# Altium PCB DevKITV3.PcbDoc (part 4 of 5) (continued)
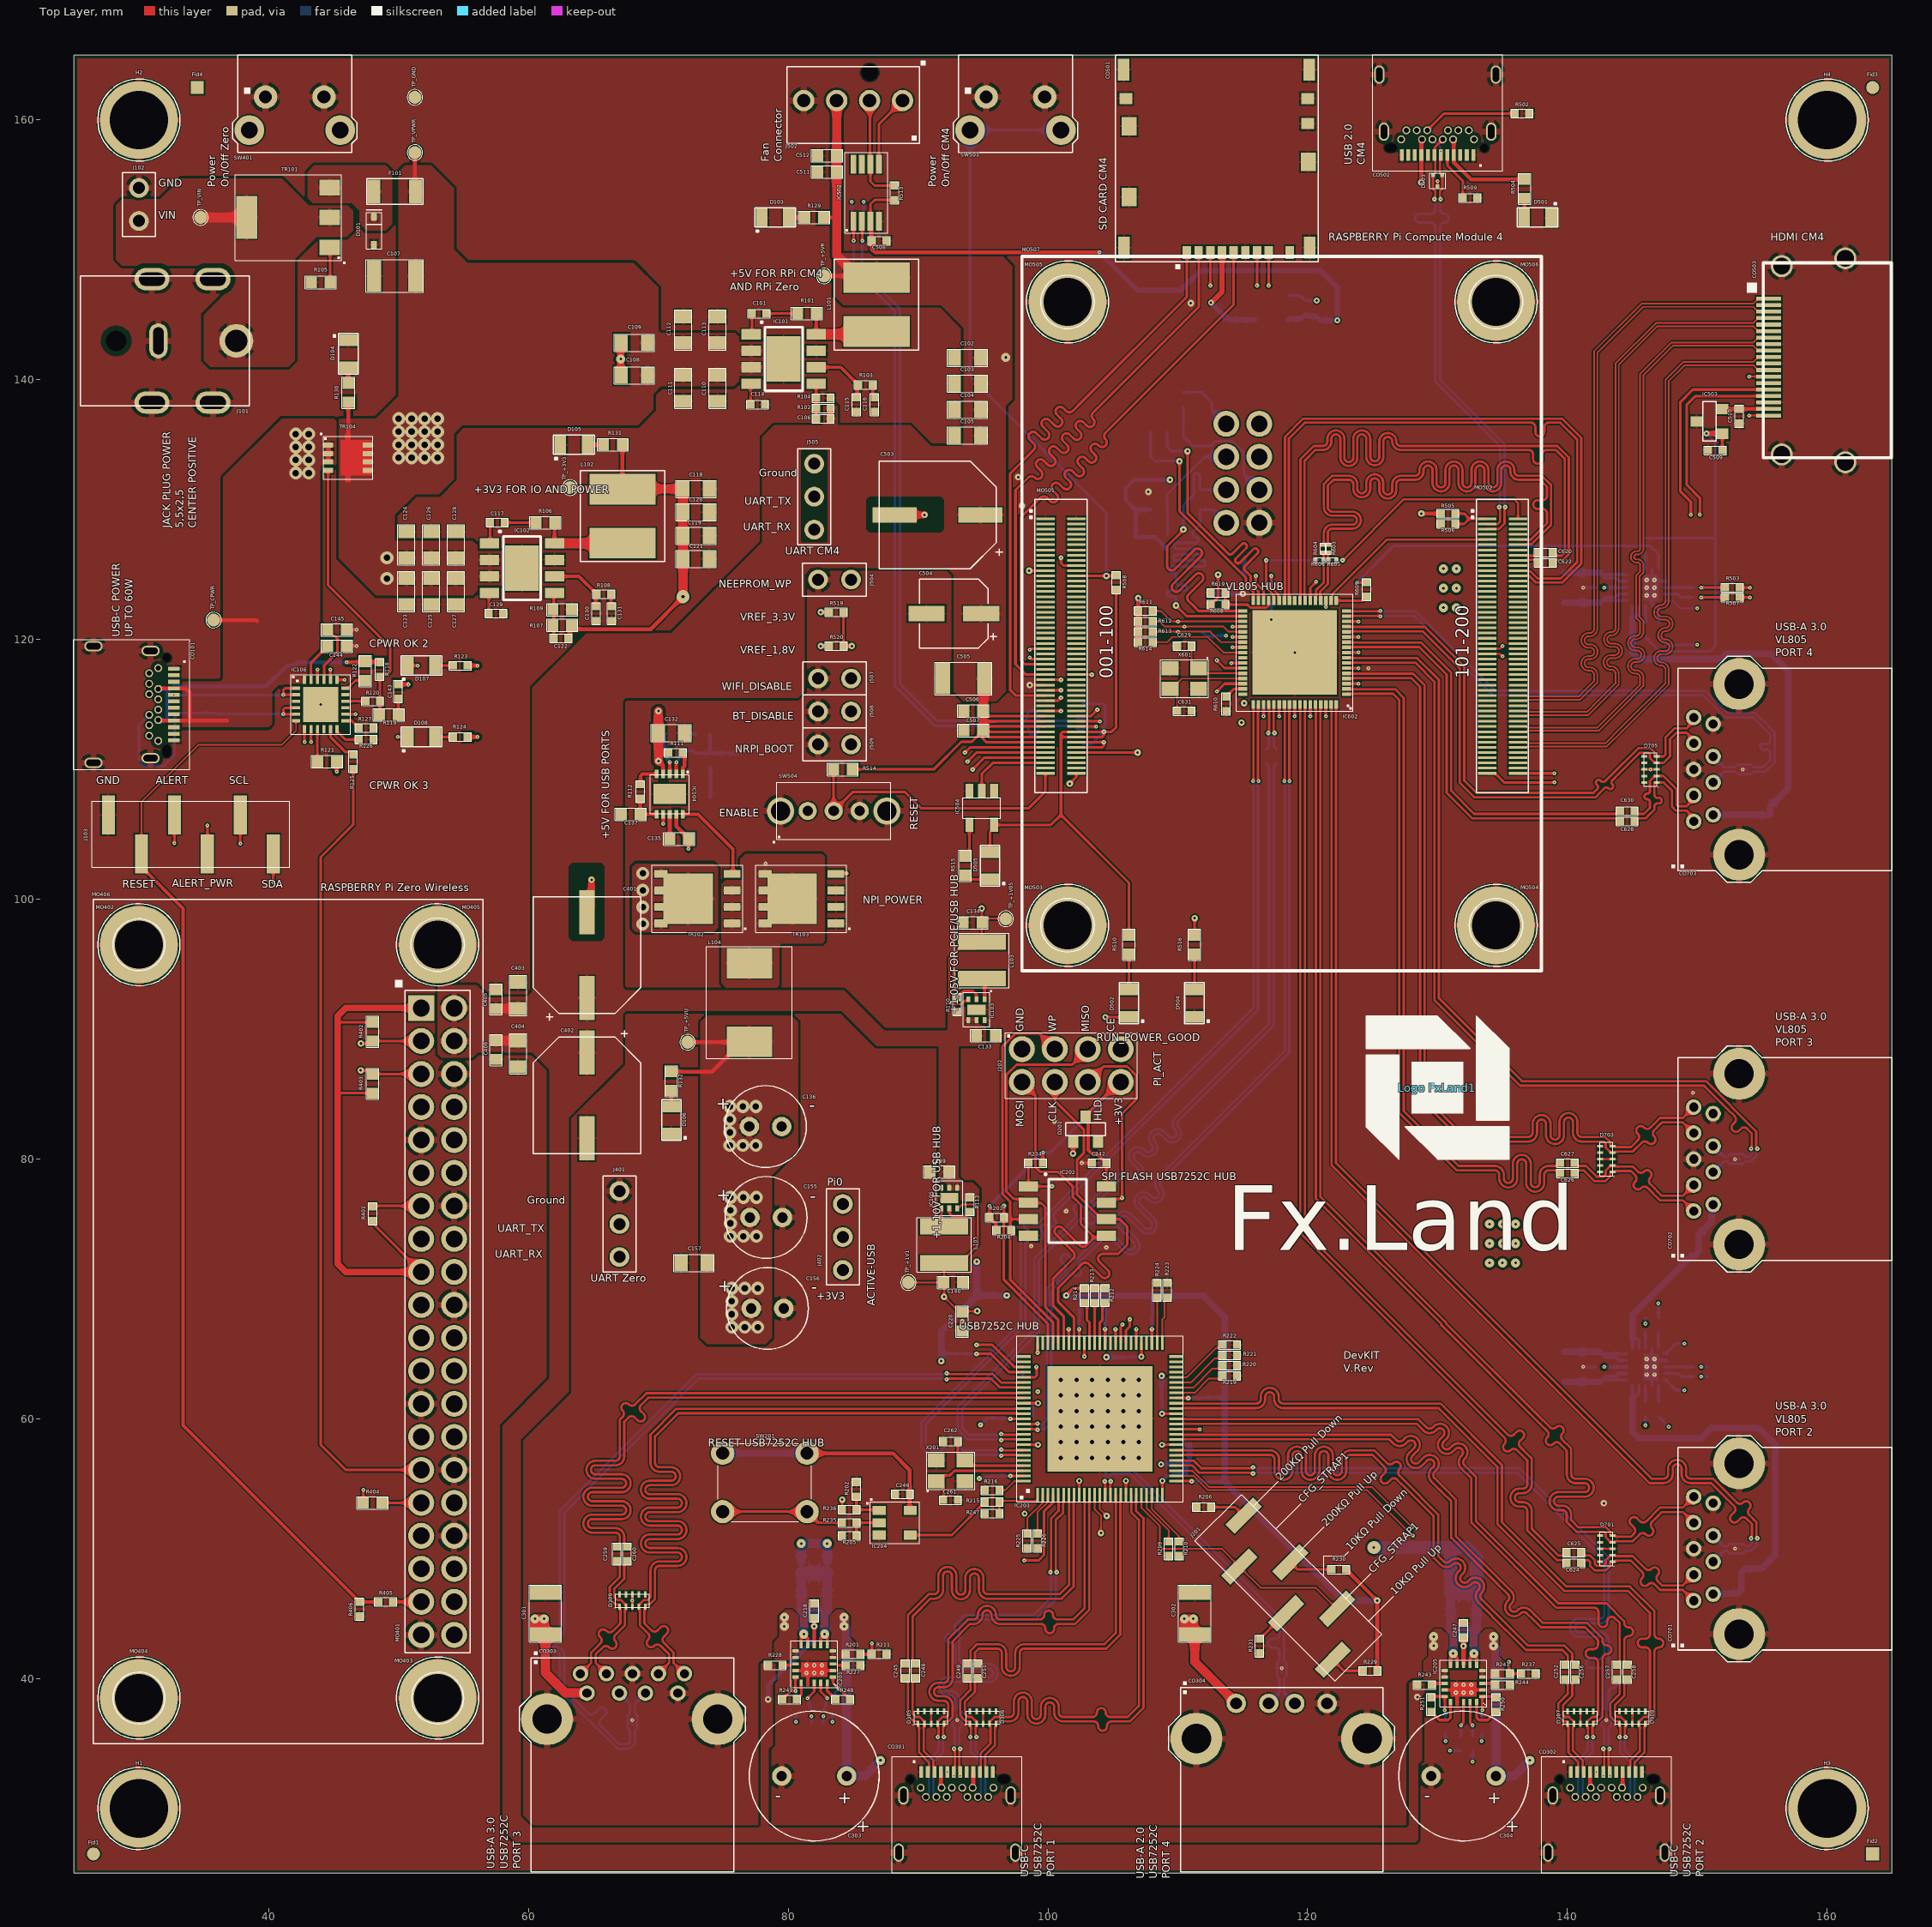
[diagram p0: Top Layer view]
## Nets (pads, with @x,y where several pads share a name; then routed paths per layer and width w, separated by ;. In a path a pad name is that pad's centre, name@x,y a point inside that pad or via, vN(x,y) a via of type N, cw(c..) or ccw(c..) an arc to the next point about the centre after c; other vN are vias at no path point) (continued)
USB3RX4_N: CO703.6 D705.4 IC602.13 | length 41.8
  Top Layer w0.176: IC602.13@123,120.6 123.024,120.624 128.876,120.624 131.7,117.8 131.7,109.002 132.854,107.848 142.148,107.848 142.483,108.183 142.85,108.55 cw(c143.002,108.398) 143.154,108.55 ccw(c143.306,108.702) 143.458,108.55 ccw(c143.306,108.702) 143.458,108.854 cw(c143.61,109.006) 143.458,109.158 143.974,109.674 145.588,111.288 146.24,111.288 146.35,111.178 146.35,110.887 146.737,110.5 D705.4@146.875,110.5 147.398,110.5 147.9,111.002 147.9,112.324 148.4,112.824 148.896,112.824 149.188,112.824 149.291,112.721 149.291,112.706 149.72,112.277 CO703.6@149.72,112
USB3RX4_P: CO703.5 D705.5 IC602.14 | length 41.8
  Top Layer w0.176: IC602.14@123,121 123.024,120.976 129.022,120.976 132.052,117.946 132.052,109.148 133,108.2 142.002,108.2 142.227,108.425 142.289,108.487 ccw(c142.137,108.639) 142.289,108.791 142.245,108.835 cw(c142.397,108.987) 142.245,109.139 cw(c142.397,108.987) 142.549,109.139 142.593,109.095 ccw(c142.745,109.247) 142.897,109.095 143.327,109.524 145.442,111.64 146.386,111.64 146.702,111.324 146.702,111.115 146.726,111.092 146.726,111.012 146.737,111 D705.5@146.875,111 147.4,111 147.548,111.148 147.548,112.47 148.254,113.176 149.042,113.176 149.188,113.176 149.291,113.279 149.291,113.294 149.72,113.723 CO703.5@149.72,114
USB3TX1_N: C623.2 IC203.94 | length 5.2
  Top Layer w0.176: v2(96.4,57.637) 96.433,57.604 96.556,57.604 96.585,57.576 96.748,57.576 97.677,57.576 97.689,57.588 98.138,57.588 IC203.94@98.15,57.6
  Bottom Layer w0.176: C623.2@93.15,57.8 93.362,57.588 93.453,57.588 93.465,57.576 94.745,57.576 96.215,57.576 96.244,57.604 96.367,57.604 v2(96.4,57.637)
USB3TX1_P: C621.2 IC203.95 | length 5.2
  Top Layer w0.176: v2(96.4,57.162) 96.433,57.196 96.556,57.196 96.585,57.224 96.924,57.224 97.677,57.224 97.689,57.212 98.138,57.212 IC203.95@98.15,57.2
  Bottom Layer w0.176: C621.2@93.15,57 93.362,57.212 93.453,57.212 93.465,57.224 94.599,57.224 96.215,57.224 96.244,57.196 96.367,57.196 v2(96.4,57.162)
USB3TX2_N: C625.2 CO701.8 D701.2 | length 11.9
  Top Layer w0.176: C625.2@141.05,49.7 141.262,49.488 141.353,49.488 141.365,49.476 141.746,49.476 142.099,49.122 142.099,48.822 142.243,48.679 142.807,48.679 142.951,48.822 142.951,49.113 143.338,49.5 D701.2@143.475,49.5 143.613,49.5 143.687,49.426 145.03,49.426 145.931,48.525 145.993,48.463 ccw(c146.235,48.705) 146.477,48.463 cw(c146.719,48.221) 146.961,48.463 cw(c146.719,48.221) 146.961,47.979 ccw(c147.202,47.738) 146.96,47.496 147.28,47.176 147.291,47.176 148.896,47.176 CO701.8@149.72,48
USB3TX2_P: C624.2 CO701.9 D701.1 | length 11.9
  Top Layer w0.176: C624.2@141.05,48.9 141.262,49.112 141.353,49.112 141.365,49.124 141.6,49.124 141.748,48.977 141.748,48.676 142.097,48.327 142.953,48.327 143.302,48.676 143.302,48.885 143.326,48.908 143.326,48.988 143.338,49 D701.1@143.475,49 143.613,49 143.687,49.074 144.885,49.074 145.199,48.76 145.744,48.214 cw(c145.503,47.972) 145.744,47.73 145.722,47.708 ccw(c145.964,47.466) 145.722,47.225 ccw(c145.964,47.466) 146.206,47.225 146.228,47.247 cw(c146.47,47.005) 146.712,47.247 147.096,46.863 147.134,46.824 148.896,46.824 CO701.9@149.72,46
USB3TX3_N: C627.2 CO702.8 D703.2 | length 12.2
  Top Layer w0.176: C627.2@140.55,79.7 140.762,79.488 140.853,79.488 140.865,79.476 141.422,79.476 142.246,78.652 142.78,78.652 142.951,78.822 142.951,79.113 143.338,79.5 D703.2@143.475,79.5 143.613,79.5 143.687,79.426 145.03,79.426 145.347,79.109 145.409,79.047 ccw(c145.651,79.289) 145.893,79.047 cw(c146.135,78.805) 146.377,79.047 cw(c146.135,78.805) 146.377,78.563 ccw(c146.619,78.321) 146.377,78.08 147.28,77.176 148.896,77.176 CO702.8@149.72,78
USB3TX3_P: C626.2 CO702.9 D703.1 | length 12.2
  Top Layer w0.176: C626.2@140.55,78.9 140.762,79.112 140.853,79.112 140.865,79.124 141.276,79.124 142.1,78.3 142.926,78.3 143.302,78.676 143.302,78.885 143.326,78.908 143.326,78.988 143.338,79 D703.1@143.475,79 143.613,79 143.687,79.074 144.697,79.074 144.885,79.074 145.216,78.743 cw(c144.974,78.501) 145.216,78.259 145.194,78.237 ccw(c145.435,77.995) 145.194,77.753 ccw(c145.435,77.995) 145.677,77.753 145.699,77.775 cw(c145.941,77.534) 146.183,77.775 147.019,76.939 147.134,76.824 148.896,76.824 CO702.9@149.72,76
USB3TX4_N: C630.2 CO703.8 D705.2 | length 9.9
  Top Layer w0.176: C630.2@145.15,106.8 145.362,106.588 145.453,106.588 145.465,106.576 145.876,106.576 146.35,107.05 146.35,107.403 146.35,107.491 ccw(c146.136,107.491) 146.136,107.706 cw(c146.135,107.921) 145.92,107.921 cw(c146.135,107.921) 146.135,108.136 ccw(c146.136,108.351) 146.35,108.351 146.35,108.801 146.35,109.113 D705.2@146.737,109.5 ; D705.2@146.875,109.5 D705.2@146.737,109.5 ; CO703.8@149.72,108 149.72,107.723 149.291,107.294 149.291,107.279 149.188,107.176 148.896,107.176 148.503,107.176 148.4,107.279 148.4,108.498 147.398,109.5 D705.2@146.737,109.5
USB3TX4_P: C628.2 CO703.9 D705.1 | length 9.9
  Top Layer w0.176: C628.2@145.15,106 145.362,106.212 145.453,106.212 145.465,106.224 146.022,106.224 146.232,106.434 146.702,106.905 146.702,107.167 cw(c146.917,107.167) 146.917,107.382 147.048,107.382 ccw(c147.048,107.597) 147.263,107.597 ccw(c147.048,107.597) 147.048,107.812 146.917,107.812 cw(c146.917,108.027) 146.702,108.027 146.702,108.497 146.702,108.885 146.726,108.908 146.726,108.988 146.737,109 D705.1@146.875,109 147.4,109 148.048,108.352 148.048,107.133 148.357,106.824 149.042,106.824 149.188,106.824 149.291,106.721 149.291,106.706 149.72,106.277 CO703.9@149.72,106
USB3XRX1_N: C244.1 IC203.92 | length 72.5
  Top Layer w0.176: v2(96.4,58.362) 96.433,58.396 96.556,58.396 96.585,58.424 96.924,58.424 97.677,58.424 97.689,58.412 98.138,58.412 IC203.92@98.15,58.4
  Bottom Layer w0.176: v2(96.4,58.362) 96.367,58.396 96.244,58.396 96.215,58.424 93.778,58.424 93.048,59.154 93.048,60.948 98.948,66.848 98.948,72.348 102.012,75.412 102.075,75.475 ccw(c101.833,75.716) 102.075,75.958 cw(c102.316,76.2) 102.075,76.442 cw(c102.316,76.2) 102.558,76.442 ccw(c102.8,76.684) 103.042,76.442 103.725,77.125 104.488,77.888 105.407,78.807 cw(c105.898,78.317) 106.389,78.807 106.435,78.761 ccw(c106.677,79.003) 106.919,79.245 106.437,79.726 cw(c106.928,80.217) 106.437,80.707 ; 106.438,80.708 cw(c106.928,80.217) 107.419,80.708 107.488,80.639 ccw(c107.729,80.881) 107.971,81.122 cw(c108.462,81.613) 107.971,82.103 ; 107.972,82.105 cw(c108.462,81.613) 108.953,82.104 109.319,81.738 ccw(c109.561,81.979) 109.803,82.221 cw(c110.293,82.712) 109.803,83.203 110.568,83.968 117.024,90.424 117.024,110.135 117.012,110.147 117.012,110.238 C244.1@116.8,110.45
USB3XRX1_P: C243.1 IC203.91 | length 72.5
  Top Layer w0.176: v2(96.4,58.837) 96.433,58.804 96.556,58.804 96.585,58.776 96.748,58.776 97.677,58.776 97.689,58.788 98.138,58.788 IC203.91@98.15,58.8
  Bottom Layer w0.176: v2(96.4,58.837) 96.367,58.804 96.244,58.804 96.215,58.776 93.924,58.776 93.4,59.3 93.4,60.802 99.3,66.702 99.3,72.202 101.865,74.767 102.411,75.313 cw(c102.653,75.071) 102.894,75.313 103.101,75.107 ccw(c103.342,75.349) 103.584,75.107 ccw(c103.342,75.349) 103.584,75.59 103.378,75.797 cw(c103.62,76.038) 103.378,76.28 104.508,77.41 104.737,77.639 105.656,78.558 cw(c105.898,78.317) 106.14,78.558 106.186,78.512 ccw(c106.677,79.003) 107.167,78.512 ; 107.168,78.513 ccw(c106.677,79.003) 107.167,79.494 106.686,79.975 cw(c106.928,80.217) 107.17,80.459 107.239,80.39 ccw(c107.729,80.881) 108.22,80.389 ; 108.221,80.39 ccw(c107.729,80.881) 108.22,81.371 cw(c108.462,81.613) 108.704,81.855 109.07,81.489 ccw(c109.561,81.979) 110.051,81.488 ; 110.052,81.489 ccw(c109.561,81.979) 110.052,82.47 cw(c110.293,82.712) 110.052,82.954 110.816,83.719 117.376,90.278 117.376,110.135 117.388,110.147 117.388,110.238 C243.1@117.6,110.45
USB3XTX1_N: C623.1 IC602.53 | length 70.9
  Top Layer w0.176: IC602.53@116.2,115 116.176,114.976 116.176,109.224 116.189,109.211 116.189,109.124 v1(116.213,109.1)
  Bottom Layer w0.176: C623.1@92.05,57.8 91.838,57.588 91.747,57.588 91.735,57.576 91.024,57.576 90.6,58 90.6,59.6 98.252,67.252 98.252,73.386 98.252,73.552 98.594,73.894 cw(c98.836,73.652) 99.078,73.894 ccw(c99.32,74.136) 99.561,73.894 ccw(c99.32,74.136) 99.561,74.378 cw(c99.803,74.62) 99.561,74.861 cw(c99.803,74.62) 100.045,74.861 ccw(c100.287,75.103) 100.529,74.861 ccw(c100.287,75.103) 100.529,75.345 cw(c100.771,75.587) 100.529,75.829 100.991,76.291 116.176,91.476 116.176,108.976 116.189,108.989 116.189,109.076 v1(116.213,109.1)
USB3XTX1_P: C621.1 IC602.52 | length 70.9
  Top Layer w0.176: v1(115.788,109.1) 115.811,109.124 115.811,109.211 115.824,109.224 115.824,114.976 IC602.52@115.8,115
  Bottom Layer w0.176: C621.1@92.05,57 91.838,57.212 91.747,57.212 91.735,57.224 90.878,57.224 90.248,57.854 90.248,59.746 97.9,67.398 97.9,73.698 98.252,74.05 98.314,74.112 ccw(c98.072,74.354) 98.314,74.596 98.244,74.666 cw(c98.486,74.907) 98.244,75.149 cw(c98.486,74.907) 98.728,75.149 98.798,75.079 ccw(c99.04,75.321) 99.281,75.079 101.532,77.33 115.824,91.622 115.824,108.976 115.811,108.989 115.811,109.076 v1(115.788,109.1)
USB3XTX2_N: C625.1 IC602.62 | length 77.4
  Top Layer w0.176: IC602.62@119.8,115 119.776,114.976 119.776,113.355 119.776,74.422 134.504,59.694 135.396,58.801 ccw(c135.638,59.043) 135.88,58.801 136.086,59.008 cw(c136.328,58.766) 136.57,59.008 cw(c136.328,58.766) 136.57,58.524 136.364,58.318 ccw(c136.606,58.076) 136.364,57.834 136.91,57.288 137.252,56.946 137.252,56.1 137.252,54.969 cw(c136.558,54.969) 136.558,54.275 136.3,54.275 ccw(c136.3,53.933) 136.3,53.591 136.558,53.591 cw(c136.558,52.897) 137.252,52.897 137.252,52.633 137.252,51.548 139.324,49.476 139.635,49.476 139.647,49.488 139.738,49.488 C625.1@139.95,49.7
USB3XTX2_P: C624.1 IC602.61 | length 77.4
  Top Layer w0.176: IC602.61@119.4,115 119.424,114.976 119.424,113.501 119.424,74.276 134.6,59.1 135.146,58.554 cw(c134.904,58.312) 135.146,58.07 ccw(c135.388,57.829) 135.146,57.587 ccw(c135.388,57.829) 135.63,57.587 cw(c135.871,57.345) 136.113,57.587 136.595,57.105 136.9,56.8 136.9,56.1 136.9,54.969 cw(c136.558,54.969) 136.558,54.627 136.3,54.627 ccw(c136.3,53.933) 136.3,53.239 136.558,53.239 cw(c136.558,52.897) 136.9,52.897 136.9,52.633 136.9,51.402 139.178,49.124 139.635,49.124 139.647,49.112 139.738,49.112 C624.1@139.95,48.9
USB3XTX3_N: C627.1 IC602.2 | length 56.2
  Top Layer w0.176: IC602.2@123,116.2 123.024,116.176 126.722,116.176 127.4,115.498 127.4,83.7 131.624,79.476 134.409,79.476 cw(c134.409,78.782) 135.103,78.782 135.103,78.505 ccw(c135.445,78.505) 135.787,78.505 135.787,79.634 cw(c136.481,79.634) 137.175,79.634 137.175,78.18 ccw(c137.517,78.18) 137.859,78.18 137.859,78.782 cw(c138.553,78.782) 138.553,79.476 138.817,79.476 139.135,79.476 139.147,79.488 139.238,79.488 C627.1@139.45,79.7
USB3XTX3_P: C626.1 IC602.1 | length 56.2
  Top Layer w0.176: IC602.1@123,115.8 123.024,115.824 126.576,115.824 127.048,115.352 127.048,83.554 131.478,79.124 131.624,79.124 134.409,79.124 cw(c134.409,78.782) 134.751,78.782 134.751,78.505 ccw(c135.445,78.505) 136.139,78.505 136.139,79.634 cw(c136.481,79.634) 136.823,79.634 136.823,78.18 ccw(c137.517,78.18) 138.211,78.18 138.211,78.782 cw(c138.553,78.782) 138.553,79.124 138.817,79.124 139.135,79.124 139.147,79.112 139.238,79.112 C626.1@139.45,78.9
USB3XTX4_N: C630.1 IC602.11 | length 31.9
  Top Layer w0.176: IC602.11@123,119.8 123.024,119.776 124.195,119.776 128.722,119.776 131.052,117.446 131.052,108.348 132.824,106.576 143.735,106.576 143.747,106.588 143.838,106.588 C630.1@144.05,106.8
USB3XTX4_P: C628.1 IC602.10 | length 31.9
  Top Layer w0.176: IC602.10@123,119.4 123.024,119.424 124.049,119.424 128.576,119.424 130.7,117.3 130.7,108.202 132.254,106.648 132.678,106.224 143.735,106.224 143.747,106.212 143.838,106.212 C628.1@144.05,106
USB_5V: CO502.4 CO502.9 CO502.24 CO502.29 R504.1 R505.2 | length 53.2
  Top Layer w0.3: v4(128.75,129.7) R505.2@130.25,129.7 ; v4(128.75,155.2) CO502.9@128.75,157.3 128.75,158.46 CO502.24@128.8,158.51 ; CO502.29@131.2,158.51 131.25,158.46 131.25,156.75 132.575,155.425 R504.1@136.7,155.425
  Layer 3 w0.3: v4(128.75,129.7) v4(128.75,155.2) 128.75,156.65 ; CO502.24@128.8,158.51 128.75,158.46 128.75,156.776 128.75,156.65 ; CO502.29@131.2,158.51 131.2,156.826 131.024,156.65 128.75,156.65
  Layer 6 w0.3: v4(128.75,155.2) 128.75,156.65 ; CO502.24@128.8,158.51 128.75,158.46 128.75,156.776 128.75,156.65 ; CO502.29@131.2,158.51 131.2,156.826 131.024,156.65 128.75,156.65
USB_CC1: CO502.5 R509.2 | length 3.8
  Top Layer w0.2: CO502.5@130.75,157.3 130.75,156.5 131.95,155.3 R509.2@131.95,154
USB_CC2: CO502.25 R502.2 | length 7.3
  Top Layer w0.2: CO502.25@129.2,159.21 130.49,160.5 R502.2@135.95,160.5
USB_N: CO502.7 CO502.27 D503.2 MO502.103 | length 35.6
  Top Layer w0.176: v2(129.761,153.9) 129.795,153.933 129.795,154.056 129.823,154.085 129.823,154.511 129.637,154.697 129.637,155.737 D503.2@129.65,155.75 129.712,155.812 129.721,155.812 129.824,155.915 129.824,156.835 129.812,156.847 129.812,157.238 CO502.7@129.75,157.3 129.812,157.362 129.812,157.922 CO502.27@130.4,158.51 ; MO502.103@133.81,128.9 133.822,128.888 134.461,128.888 134.473,128.876 134.6,128.876 134.8,129.076 134.8,129.5 134.8,130.015 134.772,130.044 134.772,130.167 v2(134.738,130.2)
  Bottom Layer w0.176: v2(129.761,153.9) 129.772,153.889 129.795,153.867 129.795,153.744 129.823,153.715 129.823,153.117 cw(c129.481,153.117) 129.481,152.775 128.617,152.775 ccw(c128.617,152.433) 128.275,152.433 ccw(c128.617,152.433) 128.617,152.091 129.481,152.091 cw(c129.481,151.749) 129.823,151.749 129.823,151.193 129.823,139.877 134.8,134.9 134.8,130.385 134.772,130.356 134.772,130.233 v2(134.738,130.2)
USB_P: CO502.6 CO502.26 D503.1 MO502.105 | length 34.2
  Top Layer w0.176: v2(130.237,153.9) 130.203,153.933 130.203,154.056 130.175,154.085 130.175,154.509 130.363,154.697 130.363,155.737 D503.1@130.35,155.75 130.288,155.812 130.279,155.812 130.176,155.915 130.176,156.835 130.188,156.847 130.188,157.238 CO502.6@130.25,157.3 ; MO502.105@133.81,128.5 133.822,128.512 134.461,128.512 134.473,128.524 134.746,128.524 135.152,128.93 135.152,129.852 135.152,130.015 135.18,130.044 135.18,130.167 v2(135.213,130.2)
  Bottom Layer w0.176: CO502.26@129.6,158.51 130.226,157.884 130.226,157.624 v1(130.25,157.6) ; v2(130.237,153.9) 130.228,153.892 130.203,153.867 130.203,153.744 130.175,153.715 130.175,153.13 ccw(c130.517,153.13) 130.517,152.788 cw(c130.517,152.446) 130.859,152.446 cw(c130.517,152.446) 130.517,152.104 ccw(c130.517,151.762) 130.175,151.762 130.175,150.99 130.175,140.023 135.152,135.046 135.152,130.385 135.18,130.356 135.18,130.233 v2(135.213,130.2)
USB_RESET: MO401.16 R236.2 | length 39
  Top Layer w0.127: R236.2@84.15,53 v4(84.15,53.775)
  Layer 3 w0.127: MO401.16@54.276,73.85 73.226,54.9 83.025,54.9 v4(84.15,53.775)
USBF1_5V: C303.1 CO301.4 CO301.9 CO301.24 CO301.29 IC201.4 IC201.5 R201.1 | length 28.9
  Top Layer w0.3: CO301.4@91.75,32.8 91.75,31.64 CO301.29@91.8,31.59 ; CO301.24@94.2,31.59 94.25,31.64 CO301.9@94.25,32.8
  Layer 6 w0.6: 91.075,32.315 CO301.29@91.8,31.59 ; CO301.24@94.2,31.59 94.2,32.849
  Layer 6 w0.8: v5(87.1,33.7) 90.75,33.7 91.338,33.112 ; 91.075,32.315 91.075,32.849 91.338,33.112 ; 94.2,32.849 93.449,33.6 91.826,33.6 91.338,33.112
  Bottom Layer w0.7: v5(84.3,44.725) v5(84.3,44.025) 84.5,43.825 C303.1@84.5,32.5 85.9,32.5 v5(87.1,33.7)
USBF1_CC1: CO301.5 IC203.12 | length 30.9
  Top Layer w0.127: IC203.12@103.6,54.15 103.6,53.019 104.075,52.544 v4(104.075,51.2)
  Layer 3 w0.127: v1(92.25,32.8) 92.95,33.5 100.5,33.5 104.075,37.075 v4(104.075,51.2)
USBF1_CC2: CO301.25 IC203.13 | length 31.9
  Top Layer w0.127: IC203.13@104,54.15 104,53.05 v4(104.525,52.525)
  Layer 3 w0.127: CO301.25@93.8,30.89 93.8,30.3 94.1,30 97.8,30 104.525,36.725 v4(104.525,52.525)
USBF1_N: CO301.7 CO301.27 D301.1 IC203.6 | length 36.2
  Top Layer w0.176: v2(93.237,34.6) 93.204,34.567 93.204,34.444 93.176,34.415 93.176,33.265 93.188,33.253 93.188,32.862 CO301.7@93.25,32.8 ; v2(100.662,48.2) 100.628,48.233 100.628,48.356 100.6,48.385 100.6,52.2 101.176,52.776 101.176,53.677 101.188,53.689 101.188,54.138 IC203.6@101.2,54.15
  Layer 6 w0.15: CO301.27@92.6,31.59 93.221,32.211 93.221,32.471 v1(93.25,32.5)
  Bottom Layer w0.176: v2(93.237,34.6) 93.204,34.633 93.204,34.756 93.176,34.785 93.176,36.21 93.279,36.313 93.288,36.313 D301.1@93.35,36.375 93.363,36.388 93.363,37.428 93.176,37.615 93.176,38.1 93.176,38.364 ccw(c92.482,38.364) 92.482,39.058 92.298,39.058 cw(c92.298,39.4) 92.298,39.742 95.425,39.742 ccw(c95.425,40.436) 95.425,41.13 93.518,41.13 cw(c93.518,41.472) 93.176,41.472 93.176,42.324 93.176,43.976 93.748,44.548 99.046,44.548 100.6,46.102 100.6,48.015 100.628,48.044 100.628,48.167 v2(100.662,48.2)
USBF1_P: CO301.6 CO301.26 D301.2 IC203.5 | length 37.1
  Top Layer w0.176: CO301.6@92.75,32.8 92.812,32.862 92.812,33.253 92.824,33.265 92.824,34.415 92.796,34.444 92.796,34.567 v2(92.762,34.6) ; v2(100.187,48.2) 100.22,48.233 100.22,48.356 100.248,48.385 100.248,52.346 100.824,52.922 100.824,53.677 100.812,53.689 100.812,54.138 IC203.5@100.8,54.15
  Layer 3 w0.15: v1(92.75,32.5) 92.779,32.471 92.779,32.211 CO301.26@93.4,31.59
  Bottom Layer w0.176: v2(92.762,34.6) 92.796,34.633 92.796,34.756 92.824,34.785 92.824,36.21 92.721,36.313 92.712,36.313 D301.2@92.65,36.375 92.637,36.388 92.637,37.428 92.824,37.615 92.824,38.1 92.824,38.364 ccw(c92.482,38.364) 92.482,38.706 92.298,38.706 cw(c92.298,39.4) 92.298,40.094 95.425,40.094 ccw(c95.425,40.436) 95.425,40.778 93.518,40.778 cw(c93.518,41.472) 92.824,41.472 92.824,42.324 92.824,42.412 ccw(c92.482,42.412) 92.482,42.754 92.454,42.754 cw(c92.454,43.096) 92.112,43.096 cw(c92.454,43.096) 92.454,43.438 92.482,43.438 ccw(c92.482,43.78) 92.824,43.78 92.824,44.122 93.097,44.395 93.602,44.9 98.9,44.9 100.248,46.248 100.248,48.015 100.22,48.044 100.22,48.167 v2(100.187,48.2)
USBF1_RX1_N: CO301.30 D305.5 IC203.11 | length 37.3
  Top Layer w0.176: v2(91.988,35.5) 91.954,35.533 91.954,35.656 91.926,35.685 91.926,36.313 92,36.387 D305.5@92,36.525 92,36.662 92.012,36.674 92.092,36.674 92.115,36.698 92.324,36.698 92.666,37.04 92.666,37.686 92.666,37.95 ccw(c91.972,37.95) 91.972,38.644 91.565,38.644 cw(c91.565,38.986) 91.565,39.328 91.972,39.328 ccw(c91.972,40.022) 92.666,40.022 92.666,40.971 92.666,42.866 94,44.2 94.264,44.2 ccw(c94.264,44.894) 94.958,44.894 94.958,44.906 cw(c95.3,44.906) 95.642,44.906 95.642,44.894 ccw(c96.336,44.894) 96.336,44.2 98.453,44.2 98.679,44.2 99.451,44.2 cw(c99.451,43.858) 99.793,43.858 99.793,43.827 ccw(c100.135,43.827) 100.135,43.485 ccw(c100.135,43.827) 100.477,43.827 100.477,43.858 cw(c100.819,43.858) 100.819,44.2 102.001,44.2 102.098,44.2 103.176,45.278 103.176,53.677 103.188,53.689 103.188,54.138 IC203.11@103.2,54.15
  Bottom Layer w0.176: CO301.30@91.4,30.89 91.4,30.981 91.176,31.205 91.176,33.576 91.926,34.326 91.926,35.315 91.954,35.344 91.954,35.467 v2(91.988,35.5)
USBF1_RX1_P: CO301.31 D305.4 IC203.10 | length 37.3
  Top Layer w0.176: v2(91.512,35.5) 91.546,35.533 91.546,35.656 91.574,35.685 91.574,36.313 91.5,36.387 D305.4@91.5,36.525 91.5,36.662 91.887,37.049 92.178,37.049 92.314,37.186 92.314,37.686 92.314,37.95 ccw(c91.972,37.95) 91.972,38.292 91.565,38.292 cw(c91.565,38.986) 91.565,39.68 91.972,39.68 ccw(c91.972,40.022) 92.314,40.022 92.314,40.971 92.314,43.012 93.854,44.552 94,44.552 94.264,44.552 ccw(c94.264,44.894) 94.606,44.894 94.606,44.906 cw(c95.3,44.906) 95.994,44.906 95.994,44.894 ccw(c96.336,44.894) 96.336,44.552 98.453,44.552 99.276,44.552 99.364,44.552 ccw(c99.364,44.894) 99.706,44.894 cw(c100.048,44.894) 100.048,45.236 cw(c100.048,44.894) 100.39,44.894 ccw(c100.732,44.894) 100.732,44.552 101.679,44.552 101.952,44.552 102.824,45.424 102.824,53.677 102.812,53.689 102.812,54.138 IC203.10@102.8,54.15
  Bottom Layer w0.176: CO301.31@90.6,30.89 90.6,30.981 90.824,31.205 90.824,33.722 91.574,34.472 91.574,35.315 91.546,35.344 91.546,35.467 v2(91.512,35.5)
USBF1_RX2_N: CO301.10 D306.4 IC203.19 | length 38.8
  Top Layer w0.176: CO301.10@94.75,32.8 94.812,32.862 94.812,33.253 94.824,33.265 94.824,34.257 95.574,35.007 95.574,36.313 95.5,36.387 D306.4@95.5,36.525 95.5,36.662 95.887,37.049 96.766,37.049 97.03,37.049 ccw(c97.03,37.391) 97.372,37.391 97.372,38.233 cw(c98.066,38.233) 98.76,38.233 98.76,37.229 ccw(c99.102,37.229) 99.444,37.229 99.444,37.821 cw(c100.138,37.821) 100.832,37.821 100.832,37.391 ccw(c101.174,37.391) 101.174,37.049 102.155,37.049 103.332,37.049 103.42,37.049 ccw(c103.42,37.391) 103.762,37.391 cw(c104.104,37.392) 104.104,37.734 cw(c104.104,37.392) 104.446,37.392 ccw(c104.788,37.391) 104.788,37.049 105.756,37.049 106.149,37.049 107,37.9 107,52.2 106.424,52.776 106.424,53.677 106.412,53.689 106.412,54.138 IC203.19@106.4,54.15
USBF1_RX2_P: CO301.11 D306.5 IC203.20 | length 38.8
  Top Layer w0.176: CO301.11@95.25,32.8 95.188,32.862 95.188,33.253 95.176,33.265 95.176,34.111 95.926,34.861 95.926,36.313 96,36.387 D306.5@96,36.525 96,36.662 96.012,36.674 96.092,36.674 96.115,36.698 96.766,36.698 97.03,36.698 ccw(c97.03,37.391) 97.724,37.391 97.724,38.233 cw(c98.066,38.233) 98.408,38.233 98.408,37.229 ccw(c99.102,37.229) 99.796,37.229 99.796,37.821 cw(c100.138,37.821) 100.48,37.821 100.48,37.391 ccw(c101.174,37.391) 101.174,36.698 102.155,36.698 102.75,36.698 103.522,36.698 cw(c103.522,36.356) 103.864,36.356 103.864,36.324 ccw(c104.206,36.324) 104.206,35.982 ccw(c104.206,36.324) 104.548,36.324 104.548,36.356 cw(c104.89,36.356) 104.89,36.698 105.889,36.698 106.295,36.698 107.352,37.754 107.352,52.346 106.776,52.922 106.776,53.677 106.788,53.689 106.788,54.138 IC203.20@106.8,54.15
USBF1_TX1_N: C248.2 CO301.3 D305.2 | length 8.3
  Top Layer w0.176: C248.2@89.8,40.05 89.588,39.838 89.588,39.747 89.576,39.735 89.576,39.303 89.575,39.302 89.575,37.297 89.822,37.049 90.113,37.049 90.5,36.662 D305.2@90.5,36.525 90.5,36.387 90.426,36.313 90.426,34.457 91.176,33.707 91.176,33.265 91.188,33.253 91.188,32.862 CO301.3@91.25,32.8
USBF1_TX1_P: C245.2 CO301.2 D305.1 | length 8.2
  Top Layer w0.176: C245.2@89,40.05 89.212,39.838 89.212,39.747 89.224,39.735 89.224,39.5 89.223,39.499 89.223,37.151 89.676,36.698 89.885,36.698 89.908,36.674 89.988,36.674 90,36.662 D305.1@90,36.525 90,36.387 90.074,36.313 90.074,34.312 90.824,33.562 90.824,33.265 90.812,33.253 90.812,32.862 CO301.2@90.75,32.8
USBF1_TX2_N: C249.2 CO301.23 D306.1 | length 10.5
  Top Layer w0.176: C249.2@93.8,40.05 94.012,39.838 94.012,39.747 94.024,39.735 94.024,39.124 93.248,38.348 93.248,37.126 93.676,36.698 93.885,36.698 93.908,36.674 93.988,36.674 94,36.662 D306.1@94,36.525 94,36.387 94.074,36.313 94.074,36.085 94.074,35.685 94.046,35.656 94.046,35.533 v2(94.012,35.5)
  Bottom Layer w0.176: v2(94.012,35.5) 94.046,35.467 94.046,35.344 94.074,35.315 94.074,34.326 94.824,33.576 94.824,31.205 94.6,30.981 CO301.23@94.6,30.89
USBF1_TX2_P: C251.2 CO301.22 D306.2 | length 10.6
  Top Layer w0.176: v2(94.487,35.5) 94.454,35.533 94.454,35.656 94.426,35.685 94.426,35.939 94.426,36.313 94.5,36.387 D306.2@94.5,36.525 94.5,36.662 94.113,37.049 93.822,37.049 93.6,37.272 93.6,38.202 94.376,38.978 94.376,39.735 94.388,39.747 94.388,39.838 C251.2@94.6,40.05
  Bottom Layer w0.176: v2(94.487,35.5) 94.454,35.467 94.454,35.344 94.426,35.315 94.426,34.472 95.176,33.722 95.176,31.205 95.4,30.981 CO301.22@95.4,30.89
USBF1_XTX1_N: C248.1 IC203.8 | length 30.5
  Top Layer w0.176: C248.1@89.8,41.15 89.588,41.362 89.588,41.453 89.576,41.465 89.576,44.776 90.948,46.148 90.961,46.148 91.225,46.148 ccw(c91.225,46.842) 91.919,46.842 91.919,47.905 cw(c92.261,47.905) 92.603,47.905 92.603,46.807 ccw(c93.297,46.807) 93.991,46.807 93.991,47.75 cw(c94.333,47.75) 94.675,47.75 94.675,46.842 ccw(c95.369,46.842) 95.369,46.148 96.262,46.148 101.046,46.148 101.976,47.078 101.976,53.677 101.988,53.689 101.988,54.138 IC203.8@102,54.15
USBF1_XTX1_P: C245.1 IC203.7 | length 30.5
  Top Layer w0.176: C245.1@89,41.15 89.212,41.362 89.212,41.453 89.224,41.465 89.224,44.922 90.802,46.5 90.961,46.5 91.225,46.5 ccw(c91.225,46.842) 91.567,46.842 91.567,47.905 cw(c92.261,47.905) 92.955,47.905 92.955,46.807 ccw(c93.297,46.807) 93.639,46.807 93.639,47.75 cw(c94.333,47.75) 95.027,47.75 95.027,46.842 ccw(c95.369,46.842) 95.369,46.5 96.262,46.5 100.9,46.5 101.624,47.224 101.624,53.677 101.612,53.689 101.612,54.138 IC203.7@101.6,54.15
USBF1_XTX2_N: C249.1 IC203.16 | length 26.8
  Top Layer w0.176: C249.1@93.8,41.15 94.012,41.362 94.012,41.453 94.024,41.465 94.024,42.146 94.53,42.652 94.798,42.652 96.098,42.652 cw(c96.098,41.958) 96.792,41.958 96.792,40.907 ccw(c97.134,40.907) 97.476,40.907 97.476,41.958 cw(c98.17,41.958) 98.17,42.652 99.173,42.652 104.352,42.652 105.224,43.524 105.224,53.677 105.212,53.689 105.212,54.138 IC203.16@105.2,54.15
USBF1_XTX2_P: C251.1 IC203.17 | length 26.8
  Top Layer w0.176: C251.1@94.6,41.15 94.388,41.362 94.388,41.453 94.376,41.465 94.376,42 94.676,42.3 94.798,42.3 96.098,42.3 cw(c96.098,41.958) 96.44,41.958 96.44,40.907 ccw(c97.134,40.907) 97.828,40.907 97.828,41.958 cw(c98.17,41.958) 98.17,42.3 99.173,42.3 104.498,42.3 105.576,43.378 105.576,53.677 105.588,53.689 105.588,54.138 IC203.17@105.6,54.15
USBF2_5V: C304.1 CO302.4 CO302.9 CO302.24 CO302.29 IC205.4 IC205.5 R237.1 | length 27.4
  Top Layer w0.3: CO302.4@141.75,32.8 141.75,31.64 CO302.29@141.8,31.59 ; CO302.24@144.2,31.59 144.25,31.64 CO302.9@144.25,32.8
  Layer 6 w0.6: 141.075,32.315 CO302.29@141.8,31.59 ; CO302.24@144.2,31.59 144.2,32.849
  Layer 6 w0.8: v5(137.1,33.7) 140.75,33.7 141.338,33.112 ; 141.075,32.315 141.075,32.849 141.338,33.112 ; 144.2,32.849 143.449,33.6 141.826,33.6 141.338,33.112
  Bottom Layer w0.7: v5(134.3,43.225) v5(134.3,42.525) 134.5,42.325 C304.1@134.5,32.5 135.9,32.5 v5(137.1,33.7)
USBF2_CC1: CO302.5 IC203.27 | length 44.2
  Top Layer w0.127: IC203.27@109.85,55.6 111.226,55.6 112.303,54.523 124.556,54.523 128.079,51 v1(128.1,51)
  Layer 3 w0.127: v1(128.1,51) 138.1,41 138.1,39.6 138.108,39.592 138.108,37.392 142.25,33.25 v1(142.25,32.8)
USBF2_CC2: CO302.25 IC203.28 | length 57.6
  Top Layer w0.127: IC203.28@109.85,56 111.147,56 112.397,54.75 124.95,54.75 v1(128.049,51.651)
  Layer 3 w0.127: v1(128.049,51.651) 128.828,50.872 128.828,50.628 140.556,38.9 144.8,38.9 148.1,35.6 148.1,30.374 147.526,29.8 144,29.8 143.8,30 CO302.25@143.8,30.89
USBF2_N: CO302.7 CO302.27 D302.1 IC203.30 | length 59.5
  Top Layer w0.176: IC203.30@109.85,56.8 109.862,56.788 110.311,56.788 110.323,56.776 111.224,56.776 111.8,56.2 115.615,56.2 115.644,56.228 115.767,56.228 v2(115.8,56.262) ; v2(143.238,34.6) 143.204,34.567 143.204,34.444 143.176,34.415 143.176,33.265 143.188,33.253 143.188,32.862 CO302.7@143.25,32.8
  Layer 6 w0.15: CO302.27@142.6,31.59 143.221,32.211 143.221,32.471 v1(143.25,32.5)
  Bottom Layer w0.176: v2(115.8,56.262) 115.833,56.228 115.956,56.228 115.985,56.2 136.298,56.2 143.176,49.322 143.176,45.826 143.176,44.944 cw(c142.482,44.944) 142.482,44.25 140.898,44.25 ccw(c140.898,43.908) 140.898,43.567 142.482,43.567 cw(c142.482,42.873) 143.176,42.873 143.176,42.608 143.176,40.4 143.176,40.312 ccw(c143.518,40.312) 143.518,39.97 cw(c143.518,39.628) 143.86,39.628 cw(c143.518,39.628) 143.518,39.286 ccw(c143.518,38.944) 143.176,38.944 143.176,38.5 143.176,37.615 143.363,37.428 143.363,36.388 D302.1@143.35,36.375 143.288,36.313 143.279,36.313 143.176,36.21 143.176,34.785 143.204,34.756 143.204,34.633 v2(143.238,34.6)